# Altium PCB 606-100862-r03.pcbdoc (part 2 of 3)
Units mm, origin at the board's own origin, x right, y up, seen from the top; angles counter-clockwise.
Board outline 48 x 50 mm, 4 copper layers (Top Layer, Internal Ground, Internal Power, Bottom Layer), stack 1.481 mm thick; 185 components, 111 nets, 536 pads, 346 vias.
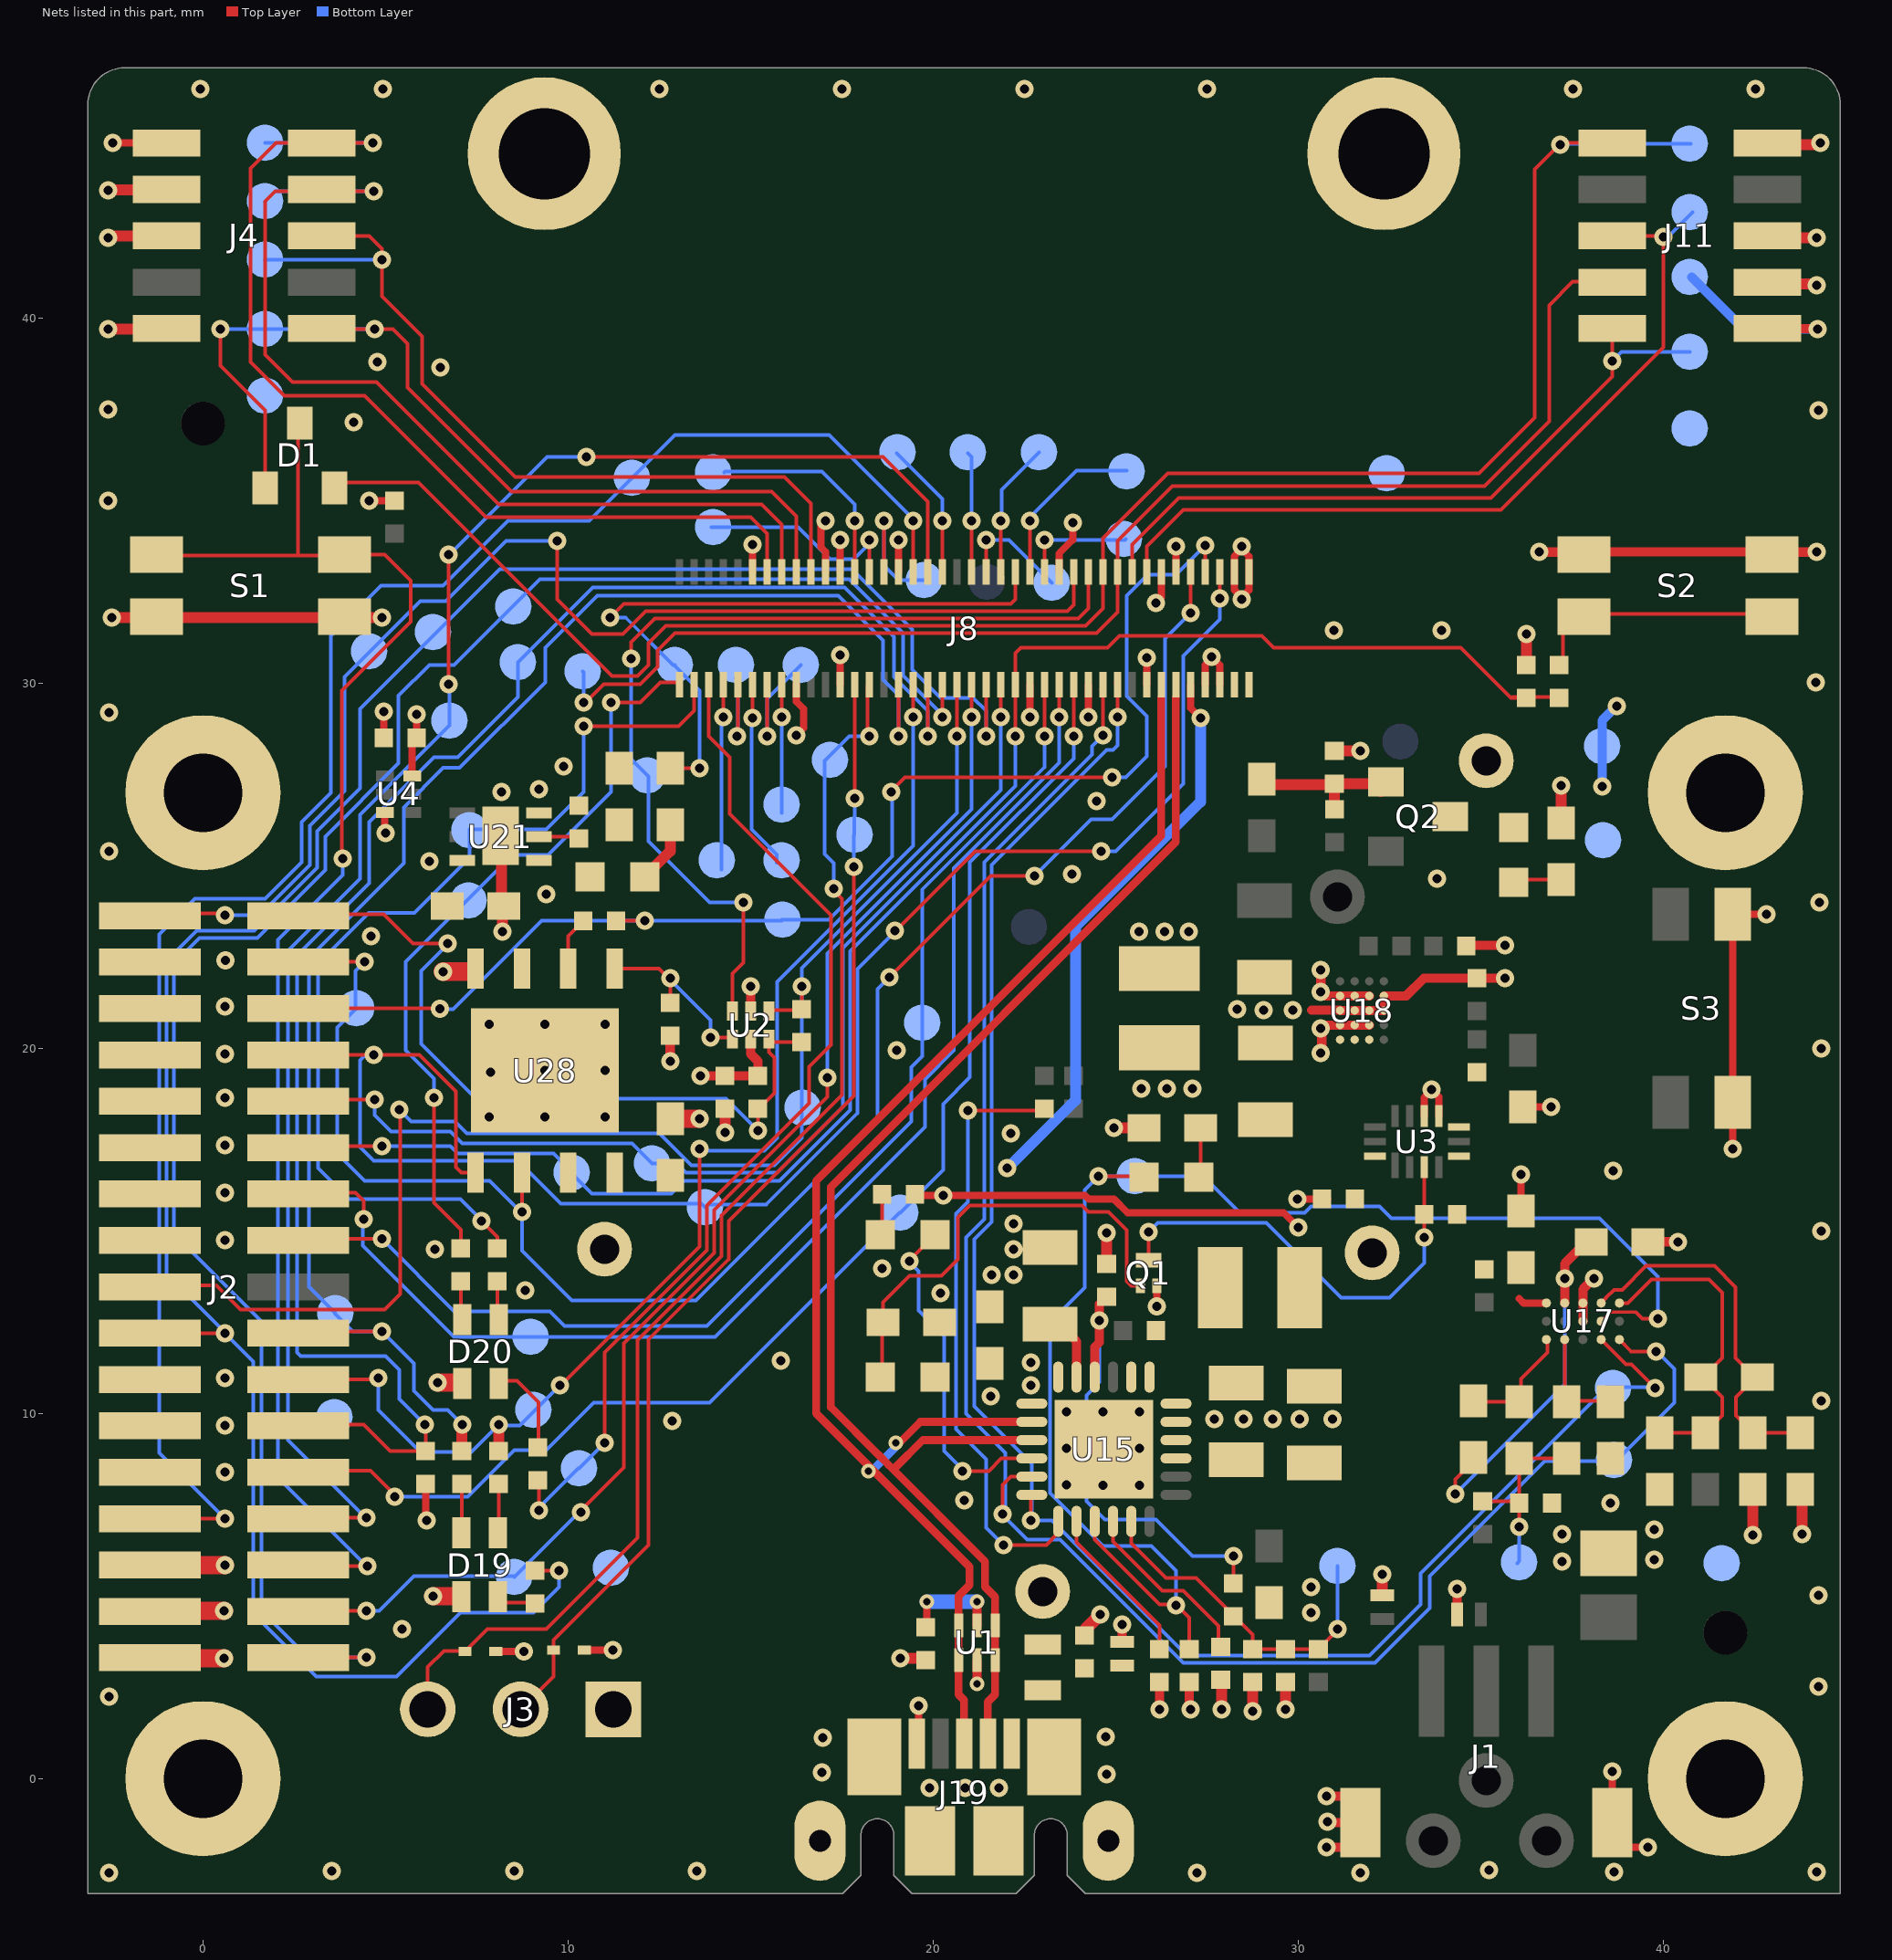
[diagram p4: the nets of this part, all layers, seen from the top]

## Via types
v1: diameter 0.5, hole 0.25, Top Layer to Bottom Layer, tented both sides, 341 vias
v2: diameter 0.4, hole 0.2, Top Layer to Bottom Layer, tented both sides, 5 vias

## Nets (pads, with @x,y where several pads share a name; then routed paths per layer and width w, separated by ;. In a path a pad name is that pad's centre, name@x,y a point inside that pad or via, vN(x,y) a via of type N, cw(c..) or ccw(c..) an arc to the next point about the centre after c; other vN are vias at no path point) (continued)
CHG_C\E\: D22.1 R71.1 TP81.1 U15.9 U17.B2 | length 40.3
  Top Layer w0.08: 38.555,12.775 39.25,12.775
  Top Layer w0.1: U15.9@24.429,7.045 24.429,6.546 26.2,4.775 26.65,4.775 27.016,4.409 R71.1@27.016,3.55 ; v1(24.525,16.5) 24.5,16.5 24.498,16.498 D22.1@25.903,16.498 ; U17.B2@38.3,12.523 38.303,12.523 38.555,12.775 ; 39.25,12.775 39.425,12.6 v1(39.85,12.6)
  Bottom Layer w0.1: v1(26.65,4.75) 26.65,5.7 25.975,6.375 24.65,6.375 23.2,7.825 23.2,12.5 24.15,13.45 24.15,16.125 v1(24.525,16.5) TP81.1@25.525,16.5 27.4,16.5 28.404,15.496 30.181,15.496 30.355,15.67 32.23,15.67 32.55,15.35 38.25,15.35 39.85,13.75 v1(39.85,12.6)
CHG_INT: R78.1 U15.7 | length 16.7
  Top Layer w0.1: v1(20.95,18.3) 23,18.3 R78.1@23.05,18.35 ; v1(21.925,6.4) 23.1,6.4 23.404,6.704 U15.7@23.404,7.073
  Bottom Layer w0.1: v1(20.95,18.3) 20.95,15.8 20.625,15.475 20.625,9.575 21.45,8.75 21.45,6.875 v1(21.925,6.4)
CHG_OTG: R73.1 U15.8 | length 4.5
  Top Layer w0.1: U15.8@23.929,7.045 23.929,6.471 26.2,4.2 26.2,3.65 R73.1@26.1,3.55
CHG_PMID: C60.1 U15.23 | length 1.9
  Top Layer w0.2: C60.1@23.354,12.498 23.704,12.498 C60.1@23.704,12.2 ; U15.23@23.904,11.023 U15.23@23.929,11.048
  Top Layer w0.25: C60.1@23.704,12.2 23.929,11.975 U15.23@23.929,11.048
CHG_REGN: C59.1 R72.1 U15.22 | length 12.9
  Top Layer w0.1: v1(28.225,6.1) 28.225,5.525 R72.1@28.4,5.35
  Top Layer w0.25: U15.22@24.429,10.995 24.429,11.823 24.554,11.948 v1(24.554,12.548) 24.554,12.998 C59.1@24.754,13.198
  Bottom Layer w0.1: v1(24.554,12.548) 24.554,10.854 24.2,10.5 24.2,7.6 24.7,7.1 26.1,7.1 27.1,6.1 v1(28.225,6.1)
CHG_STAT: D12.2 U15.4 | length 9.4
  Top Layer w0.1: v1(19.35,14.175) 19.35,14.2 D12.2@20.05,14.9 ; v1(20.8,8.425) 21.525,8.425 21.873,8.773 22.654,8.773 U15.4@22.629,8.748
  Bottom Layer w0.1: v1(19.35,14.175) 19.35,14.15 19.6,13.9 19.6,12.825 20.3,12.125 20.3,8.975 20.8,8.475 v1(20.8,8.425)
CHG_SW: C53.1 L1.1 U15.19 U15.20
CHG_TS: R72.2 R74.1 R75.1 R76.1 TP78.1 U15.11 | length 9.6
  Top Layer w0.1: U15.11@25.429,7.045 25.429,6.446 26.375,5.5 27.2,5.5 28.754,3.946 R75.1@28.754,3.55 R76.1@29.654,3.55 R74.1@30.554,3.55 31.075,4.071 v1(31.075,4.1)
  Bottom Layer w0.1: v1(31.075,4.1) TP78.1@31.075,5.825
FG_TOUT: R81.2 R82.2 U17.E3 | length 3.6
  Top Layer w0.1: R81.2@34.498,10.323 R82.2@36.054,10.323 36.1,10.368 36.1,10.95 36.826,11.676 U17.E3@36.826,12.006
FG_TS: C62.1 R84.1 U17.D3 | length 2.5
  Top Layer w0.1: U17.D3@37.3,12.023 37.3,10.648 R84.1@37.4,10.548 ; R84.1@37.419,10.348 C62.1@38.443,10.348
FG_VCC: C61.1 R81.1 U17.D1 | length 10.8
  Top Layer w0.1: v1(34.3,7.8) 34.3,8.2 34.8,8.7 R81.1@34.8,8.8
  Top Layer w0.25: U17.D1@37.3,13.025 U17.D1@37.3,13.025 37.3,14.1 ; v1(37.3,13.7) 37.3,14.1 ; C61.1@37.95,14.85 37.95,14.75 37.3,14.1
  Bottom Layer w0.1: v1(34.3,7.8) 37.3,10.8 v1(37.3,13.7)
FLASH_NCS: R152.2 U2.4 U28.1 | length 5
  Top Layer w0.1: U28.1@11.277,22.18 12.495,22.18 12.75,21.925 v1(12.8,21.925) R152.2@12.8,21.25 ; v1(13.9,20.3) U2.4@14.5,20.3
  Bottom Layer w0.1: v1(12.8,21.925) 12.8,21.875 13.9,20.775 v1(13.9,20.3)
FLEX_A_MISO: J2.16 J8.51 TP6.1 | length 33.2
  Top Layer w0.1: J2.16@3.025,14.78 v1(4.9,14.78) ; v1(23.05,28.55) J8.51@23.05,29.96
  Bottom Layer w0.1: v1(4.9,14.78) 6.88,12.8 9.5,12.8 9.9,12.4 13.8,12.4 19.4,18 19.4,19.483 19.7,19.783 TP6.1@19.7,20.7 19.7,24.351 23.05,27.701 v1(23.05,28.55)
FLEX_A_MOSI: J2.14 J8.53 TP5.1 | length 35.1
  Top Layer w0.1: J2.14@3.275,16.05 4.175,16.05 4.4,15.825 v1(4.4,15.325) ; v1(23.45,29.075) J8.53@23.45,29.96
  Bottom Layer w0.1: v1(4.4,15.325) 4.525,15.325 4.375,15.175 4.375,14.6 6.875,12.1 TP5.1@8.975,12.1 14.025,12.1 19.775,17.85 19.775,19.15 20.566,19.941 20.566,24.934 23.45,27.819 v1(23.45,29.075)
FLEX_A_SCLK: J2.26 J8.55 TP7.1 | length 36
  Top Layer w0.1: J2.26@3.025,8.43 4.595,8.43 5.25,7.775 v1(5.25,7.725) ; v1(23.85,28.55) J8.55@23.85,29.96
  Bottom Layer w0.1: v1(5.25,7.725) 7.25,7.725 8.525,9 9.4,9 10.7,10.3 13.875,10.3 19.075,15.5 TP7.1@19.1,15.5 20.275,16.675 20.275,18.475 21.007,19.207 21.007,25.093 23.85,27.936 v1(23.85,28.55)
FLEX_B_MISO: J2.6 J8.74 R153.1 TP13.1 | length 36.7
  Top Layer w0.1: J2.6@2.24,21.1 J2.6@2.715,21.1 ; J2.6@2.705,21.09 J2.6@2.715,21.1 ; v1(6.488,21.088) 6.475,21.1 J2.6@2.715,21.1 ; R153.1@11.322,23.49 11.332,23.5 v1(12.1,23.5) ; v1(18.85,27.025) 18.85,27.075 18.9,27.025 18.9,27.1 19.225,27.425 v1(24.9,27.425) ; J8.74@27.45,33.04 v1(27.45,33.775)
  Bottom Layer w0.1: v1(6.488,21.088) 6.5,21.075 6.85,21.075 9.275,23.5 v1(12.1,23.5) TP13.1@15.85,23.5 ; TP13.1@15.85,23.525 TP13.1@15.875,23.525 17.142,23.525 18.875,25.258 v1@18.875,27.025 ; v1(18.85,27.025) v1@18.875,27.025 ; v1@18.912,27.013 v1@18.9,27.025 ; v1(24.9,27.425) 25.275,27.425 25.851,28.001 25.851,29.099 25.3,29.65 25.3,32.4 25.875,32.975 26.65,32.975 v1(27.45,33.775) ; v1@18.875,27.025 v1@18.9,27.025 ; v1@18.875,27.025 18.875,27.05 v1@18.9,27.025
FLEX_B_MOSI: J2.8 J8.76 TP9.1 U28.5 | length 46.1
  Top Layer w0.1: J2.8@3.405,19.825 J2.8@3.63,19.825 ; J2.8@3.575,19.88 J2.8@3.63,19.825 ; U28.5@7.467,16.6 7.075,16.6 6.925,16.75 6.925,18.825 5.925,19.825 v1(4.675,19.825) J2.8@3.63,19.825 ; v1(18.95,23.225) 18.975,23.225 21.15,25.4 v1(24.6,25.4) ; v1(27.85,32.325) J8.76@27.85,33.04
  Bottom Layer w0.1: v1(4.675,19.825) 4.45,19.825 4.3,19.675 4.3,17.3 4.68,16.92 8.63,16.92 9.8,15.75 13.65,15.75 TP9.1@13.75,15.65 13.825,15.725 15.424,15.725 17.925,18.226 17.925,22.175 18.95,23.2 v1(18.95,23.225) ; v1(24.6,25.4) 25,25.4 26.85,27.25 26.85,30.75 27.85,31.75 v1@27.85,32.325
FLEX_B_SCLK: J2.4 J8.72 TP8.1 U28.6 | length 46.5
  Top Layer w0.1: J2.4@3.275,22.4 3.3,22.375 v1(4.425,22.375) ; v1(8.737,15.525) U28.6@8.737,16.6 ; v1(18.8,21.95) 21.575,24.725 v1(22.775,24.725) ; v1(27.05,31.925) J8.72@27.05,33.04
  Bottom Layer w0.1: v1(4.425,22.375) 4.175,22.125 4.175,21.125 TP8.1@4.2,21.1 3.675,20.575 3.675,17.125 4.425,16.375 7.85,16.375 8.7,15.525 v1(8.737,15.525) 8.737,14.463 10.1,13.1 13.5,13.1 18.475,18.075 18.475,21.625 v1(18.8,21.95) ; v1(22.775,24.725) 24.325,26.275 24.9,26.275 26.35,27.725 26.35,31.225 v1(27.05,31.925)
FLEX_C_MISO: J8.30 TP19.1 | length 3.9
  Top Layer w0.1: J8.30@18.65,33.04 v1(18.65,34.45)
  Bottom Layer w0.1: v1(18.65,34.45) 18.65,33.225 19.05,32.825 TP19.1@19.75,32.825
FLEX_C_MOSI: J8.28 TP18.1 | length 5.8
  Top Layer w0.1: J8.28@18.25,33.04 v1(18.25,33.925)
  Bottom Layer w0.1: TP18.1@13.925,34.275 TP18.1@13.975,34.275 16.3,34.275 17.175,33.4 17.825,33.4 18.25,33.825 v1(18.25,33.925)
FLEX_C_SCLK: J8.26 TP20.1 | length 5.8
  Top Layer w0.1: J8.26@17.85,33.04 v1(17.85,34.45)
  Bottom Layer w0.1: TP20.1@14.275,35.775 14.3,35.8 16.95,35.8 17.85,34.9 v1(17.85,34.45)
FPGA_GPIO_1: J2.27 J8.34 TP3.1 | length 50.7
  Top Layer w0.1: J2.27@-1.452,7.12 -1.447,7.125 v1(0.6,7.125) ; J8.34@19.45,33.04 v1(19.45,34.45)
  Bottom Layer w0.1: v1(0.6,7.125) -1.2,8.925 -1.2,23.125 -0.225,24.1 1.7,24.1 2.7,25.1 2.7,26.2 3.5,27 3.5,31.3 4.875,32.675 6.575,32.675 8.35,34.45 10.575,34.45 TP3.1@11.75,35.625 12.925,36.8 17.15,36.8 19.45,34.5 v1(19.45,34.45)
FPGA_GPIO_2: J2.28 J8.36 TP4.1 | length 47.7
  Top Layer w0.1: J2.28@2.612,7.12 2.642,7.15 v1(4.475,7.15) ; v1(6.725,29.975) v1(6.725,33.525) ; v1(10.5,36.2) 18.625,36.2 19.85,34.975 J8.36@19.85,33.04
  Bottom Layer w0.1: v1(4.475,7.15) 4.45,7.15 2.325,9.275 2.325,22.675 4.3,24.65 4.3,26.4 6.75,28.85 TP4.1@6.75,28.975 6.75,29.975 v1(6.725,29.975) ; v1(6.725,33.525) 6.75,33.525 9.425,36.2 v1(10.5,36.2)
FPGA_GPIO_3: J8.38 TP32.1 | length 3.8
  Top Layer w0.1: J8.38@20.25,33.04 v1(20.25,34.45)
  Bottom Layer w0.1: TP32.1@19,36.3 20.25,35.05 v1(20.25,34.45)
FPGA_GPIO_5: J8.42 TP35.1 | length 3.3
  Top Layer w0.1: J8.42@21.05,33.04 v1(21.05,34.45)
  Bottom Layer w0.1: TP35.1@20.95,36.3 21.05,36.2 v1(21.05,34.45)
FPGA_GPIO_6: J8.44 TP37.1 | length 3.2
  Top Layer w0.1: J8.44@21.45,33.04 v1(21.45,33.925)
  Bottom Layer w0.1: v1(21.45,33.925) 22.075,33.925 TP37.1@23.25,32.75
FPGA_GPIO_7: J8.46 TP33.1 | length 3.7
  Top Layer w0.1: J8.46@21.85,33.04 v1(21.85,34.45)
  Bottom Layer w0.1: v1(21.85,34.45) 21.875,34.475 21.875,35.3 TP33.1@22.9,36.325
FPGA_GPIO_8: J8.48 R9.2 TP38.1 | length 18.3
  Top Layer w0.1: v1(11.151,31.802) 11.524,32.175 22.125,32.175 22.25,32.3 J8.48@22.25,33.04 ; R9.2@12.8,27.675 v1(13.6,27.675)
  Bottom Layer w0.1: v1(11.151,31.802) 11.573,31.802 12.875,30.5 TP38.1@12.925,30.5 12.925,30.475 13.6,29.8 v1(13.6,27.675)
FPGA_GPIO_9: J8.50 TP34.1 | length 4.7
  Top Layer w0.1: J8.50@22.65,33.04 v1(22.65,34.45)
  Bottom Layer w0.1: v1(22.65,34.45) 22.65,34.55 23.925,35.825 TP34.1@25.3,35.825
FPGA_GPIO_10: J8.52 TP42.1 | length 3.1
  Top Layer w0.1: J8.52@23.05,33.04 v1(23.05,33.925)
  Bottom Layer w0.1: v1(23.05,33.925) 25.259,33.925 TP42.1@25.278,33.944
GND: C1.2 C2.2 C3.1 C4.2 C6.2 C7.1 C8.1 C9.2 C10.1 C52.2 C54.2 C58.2 C59.2 C60.2 C61.2 C62.2 C63.2 C64.2 C66.1 C68.2 C70.2 C71.2 C72.2 C111.1 D2.A D3.A D4.A D5.A D7.A J1.4 J1.5 J2.3 J2.5 J2.7 J2.9 J2.11 J2.13 J2.15 J2.21 J2.23 J2.25 J2.29 J3.1 J4.3 J4.5 J4.9 J8.12 J8.17 J8.23 J8.24 J8.32 J8.49 J8.54 J8.57 J8.65 J8.70 J8.73 J8.75 J8.78 J8.80 J11.3 J11.5 J11.9 J19.5 J19.6 J19.7 J19.8 J19.9 J19.10 J19.11 M1.1 M2.1 M3.1 M4.1 M5.1 M6.1 Q1.S R7.2 R13.2 R14.2 R15.2 R16.2 R71.2 R73.2 R75.2 R76.2 R77.2 R85.2 R87.2 R88.2 R92.2 R93.2 S1.1 S1.3 S2.1 S2.3 S3.1 S3.3 TP10.1 TP11.1 TP12.1 TP14.1 TP15.1 TP16.1 TP17.1 U1.2 U2.2 U3.8 U3.9 U4.3 U15.17 U15.18 U15.pad U17.C1 U17.C2 U18.B4 U18.C1 U18.C2 U18.C3 U18.C4 U21.3 U21.7 U28.4 U28.9 | length 91.6
  Top Layer w0.2: C8.1@4.95,28.5 4.95,29.15 4.885,29.215 v1(4.96,29.215) ; U4.3@4.983,26.464 4.983,25.917 v1(5,25.9) ; R16.2@6.1,8.075 6.1,7.1 v1(6.125,7.075) ; D3.A@8.02,3.486 v1(8.786,3.486) ; D2.A@10.475,3.525 v1(11.225,3.525) ; J8.12@15.05,33.04 v1(15.05,33.8) ; J8.17@16.25,29.96 16.25,29.5 16.45,29.3 16.45,28.776 v1(16.251,28.576) ; J8.23@17.45,29.96 v1@17.45,30.75 ; J8.24@17.45,33.04 v1(17.45,33.925) ; J8.32@19.05,33.04 v1(19.05,33.925) ; J19.5@19.55,0.96 19.6,1.01 v1(19.6,2) ; v1(22.65,29.075) J8.49@22.65,29.96 ; J8.54@23.45,33.04 23.45,33.55 23.825,33.925 v1(23.825,34.4) ; v1(24.25,29.075) J8.57@24.25,29.96 ; J8.65@25.85,29.96 v1(25.85,30.7) ; v1(26.125,12.938) Q1.S@26.125,13.4 ; J8.70@26.65,33.04 v1(26.65,33.75) ; J8.73@27.45,29.96 27.45,30.5 27.625,30.675 v1(27.625,30.725) 27.85,30.5 J8.75@27.85,29.96 ; v1(28.45,32.3) v1@28.45,32.361 ; v1(28.45,33.75) v1@28.413,33.713 ; v1(29.976,15.876) C7.1@30.65,15.875 C7.1@30.8,15.875 ; U3.9@33.45,18.15 33.45,18.65 33.65,18.85 v1(33.65,18.875) 33.85,18.675 U3.8@33.85,18.15 ; C63.2@36.1,15.45 v1(36.1,16.55) ; C6.2@36.15,18.4 v1(36.925,18.4) ; v1(38.6,0.2) J1.4@38.6,-1.2 38.6,-1.775 38.7,-1.875 v1(39.575,-1.875) ; v1(41.9,17.25) S3.1@41.9,18.525 S3.3@41.9,23.675 v1(42.825,23.675) ; v1(42.45,6.675) v1@42.454,6.679 ; v1@28.413,33.713 28.413,33.638 28.25,33.475 J8.78@28.25,33.04 28.25,32.561 v1@28.45,32.361 ; v1@28.413,33.713 28.65,33.475 J8.80@28.65,33.04 28.65,32.55 28.461,32.361 v1@28.45,32.361
  Top Layer w0.25: U2.2@15,21.07 v1(15,21.7) ; v2(21.2,2.6) U1.2@21.2,3.25 ; D7.A@25.175,3.75 v1(25.175,4.225) ; v1(26.2,1.9) R73.2@26.2,2.616 ; R71.2@27.016,2.65 27.016,1.838 27.054,1.876 v1(27.054,1.9) ; 30.372,21.04 31.146,21.04 U18.C1@31.148,21.037 U18.C2@31.548,21.037 U18.C3@31.948,21.037 U18.C4@32.348,21.037 U18.B4@32.348,21.437 32.962,21.437 33.44,21.915 R92.2@34.897,21.915 v1(35.672,21.915) ; v1(30.775,-1.875) J1.5@31.5,-1.875 ; v1(30.775,-0.475) J1.5@31.4,-0.475 ; v1(30.8,-1.175) 30.825,-1.2 J1.5@31.7,-1.2 J1.5@31.8,-1.2 ; D4.A@34.35,4.5 v1(34.35,5.2) ; R93.2@34.672,22.815 v1(35.672,22.815) ; S2.3@37.793,33.59 S2.1@42.943,33.59 ; U17.C2@37.8,12.523 U17.C2@37.8,12.525 U17.C1@37.8,13.025 37.8,13.4 v1(38.1,13.7)
  Top Layer w0.254: v1(36.6,33.6) 36.61,33.59 S2.3@37.793,33.59 ; C61.2@39.475,14.7 C61.2@39.575,14.7 v1(40.4,14.7) ; S2.1@42.943,33.59 44.19,33.59 v1(44.2,33.6)
  Top Layer w0.3: v1(-2.6,39.7) J4.9@-1,39.7 ; v1(-2.6,42.2) -2.56,42.24 J4.5@-1,42.24 ; v1(-2.6,43.5) -2.59,43.51 J4.3@-1,43.51 ; v1(-2.5,31.8) v1(4.9,31.8) ; U21.7@8.175,25.768 8.175,23.962 C70.2@8.247,23.89 8.2,23.843 v1(8.2,23.2) ; v1(14.3,17.7) C3.1@14.3,18.35 ; v1(19.1,3.3) 19.75,3.3 C1.2@19.8,3.25 ; C59.2@24.754,14.098 v1(24.754,14.948) ; v1(24.95,17.825) R14.2@25.557,17.825 ; R77.2@27.854,2.669 27.9,2.624 v1(27.9,1.9) ; v1(28.754,1.848) R75.2@28.754,2.6 ; v1(29.649,1.9) R76.2@29.649,2.6 ; R7.2@30.99,28.128 31.012,28.15 v1(31.7,28.15) ; D5.A@32.3,5.025 v1(32.3,5.6) ; C2.2@36.25,30.55 v1(36.25,31.35) ; R15.2@37.2,26.175 v1(37.2,27.2) ; v1@42.454,6.679 R88.2@42.454,7.925 ; J11.3@42.825,40.93 44.17,40.93 v1(44.2,40.9) ; J11.5@42.825,42.2 v1(44.2,42.2) ; J11.9@42.825,44.74 44.24,44.74 v1(44.3,44.8) ; v1(43.808,6.7) C66.1@43.808,7.925
  Top Layer w0.35: C10.1@24.2,3.925 24.2,4.125 v1(24.575,4.5)
  Top Layer w0.5: J2.29@-1.145,5.85 -1.045,5.85 -0.995,5.8 -0.945,5.85 v1(0.6,5.85) ; C111.1@12.772,18.065 v1(13.6,18.065)
  Top Layer w0.508: v1(6.575,22.1) 7.385,22.1 7.386,22.101 U28.4@7.387,22.1
  other v1: -2.575,-2.575 27.225,-2.575 31.7,-2.575 38.65,-2.55 44.2,-2.55 3.525,-2.525 8.525,-2.525 13.525,-2.525 35.225,-2.5 19.9,-0.25 20.875,-0.25 21.8,-0.25 24.75,0.125 16.95,0.175 16.975,1.125 24.725,1.15 -2.575,2.25 44.25,2.525 5.45,4.1 30.354,4.548 44.25,5.025 30.354,5.248 37.225,5.95 39.75,6 37.225,6.7 39.75,6.825 38.554,7.548 20.85,7.625 23.654,8.048 24.654,8.032 25.654,8.032 0.6,8.4 23.654,9.048 25.654,9.048 0.6,9.675 12.85,9.8 27.701,9.848 28.501,9.848 29.301,9.848 30.047,9.848 30.947,9.848 23.654,10.048 24.654,10.048 25.654,10.048 44.325,10.35 0.6,10.975 15.825,11.45 20.2,13.3 8.825,13.375 21.6,13.8 22.2,13.8 18.6,13.975 6.35,14.5 22.2,14.5 0.6,14.75 44.325,15 22.2,15.2 0.6,16.05 38.625,16.65 0.6,17.35 22.125,17.675 7.848,18.12 9.372,18.12 11.023,18.12 0.6,18.65 7.875,19.351 9.372,19.39 11.023,19.39 0.6,19.85 19,19.95 44.325,20 7.848,20.66 9.372,20.66 11.023,20.66 29.05,21.05 29.85,21.05 28.325,21.075 0.6,21.15 0.62,22.41 4.6,23.075 44.275,24 33.8,24.65 23.8,24.775 -2.575,25.4 24.475,26.775 8.175,27.025 9.2,27.1 9.875,27.725 -2.575,29.2 44.175,30.025 17.45,30.775 30.975,31.45 33.925,31.45 -2.6,35 4.125,37.15 44.25,37.475 -2.6,37.5 6.5,38.65 4.775,38.8 -0.075,46.275 4.925,46.275 12.5,46.275 17.5,46.275 22.5,46.275 27.5,46.275 37.525,46.275 42.525,46.275
MASTER_NRST: D1.3 J2.30 S1.2 S1.4 | length 42.3
  Top Layer w0.1: S1.2@-1.4,33.55 -1.345,33.544 -1.277,33.535 -1.274,33.535 -0.975,33.5 2.6,33.5 ; D1.3@2.6,36.945 2.6,33.5 ; J2.30@2.612,5.85 2.637,5.825 v1(4.5,5.825) ; v1(3.825,25.2) 3.8,25.225 3.8,29.8 5.687,31.688 5.687,32.812 4.975,33.525 S1.4@3.875,33.525 3.825,33.525 3.8,33.5 2.6,33.5
  Bottom Layer w0.1: v1(3.825,25.2) 3.825,24.75 2.05,22.975 2.05,8.25 4.475,5.825 v1(4.5,5.825)
MCU_11/FLASH_NCS: J8.58 TP61.1 U2.3 | length 25.9
  Top Layer w0.1: v1(11.725,30.675) 11.725,31.125 12.375,31.775 23.975,31.775 24.25,32.05 J8.58@24.25,33.04 ; U2.3@14.5,21.07 14.5,22.05 14.8,22.35 14.8,23.9 v1@14.7,24
  Bottom Layer w0.1: v1(11.725,30.675) 11.725,27.925 TP61.1@12.175,27.475 12.2,27.45 12.2,25.675 13.875,24 v1(14.8,24)
MCU_GPIO_1: J2.20 J8.31 R149.1 TP23.1 | length 43.8
  Top Layer w0.1: J2.20@3.025,12.24 v1(4.9,12.24) ; v1(19.05,28.55) J8.31@19.05,29.96
  Top Layer w0.3: R149.1@7.089,8.975 7.089,9.689 v1(7.1,9.7)
  Bottom Layer w0.1: TP23.1@3.612,12.738 4.11,12.24 v1(4.9,12.24) 5.775,11.365 5.775,10.625 6.3,10.1 6.7,10.1 v1(7.1,9.7) ; TP23.1@3.625,12.75 2.9,13.475 2.9,22.475 5.5,25.075 5.5,26.6 6.579,27.679 7.029,27.679 9.375,30.025 9.375,30.975 10.8,32.4 17.4,32.4 18.625,31.175 18.625,30.1 19.05,29.675 v1(19.05,28.55)
MCU_GPIO_2: J2.22 J8.33 R150.1 TP24.1 | length 34.3
  Top Layer w0.1: J2.22@2.612,10.93 4.755,10.93 v1(4.8,10.975) ; v1(9.775,10.775) 9.8,10.775 13.6,14.575 v1(13.6,17.25) ; v1(19.45,29.075) J8.33@19.45,29.96
  Top Layer w0.3: R150.1@8.1,9 v1(8.1,9.7)
  Bottom Layer w0.1: v1(4.8,10.975) 4.8,10.1 5.95,8.95 7.35,8.95 v1(8.1,9.7) 8.125,9.675 8.675,9.675 v1(9.775,10.775) ; v1(13.6,17.25) 13.65,17.2 15.375,17.2 15.725,17.55 15.725,21.825 19.45,25.55 v1(19.45,29.075)
MCU_GPIO_4: D2.C J3.2 J8.25 TP21.1 | length 31.8
  Top Layer w0.1: J3.2@8.7,1.9 9.6,2.8 9.6,3.8 12.2,6.4 12.2,12.026 14.4,14.226 14.4,15.275 17.825,18.7 v1(17.825,24.975) ; v1(17.85,26.85) 17.85,27.7 ; 17.85,27.73 J8.25@17.85,29.96 J8.25@17.85,29.985
  Bottom Layer w0.1: v1(17.825,24.975) 17.825,25.837 17.838,25.85 v1(17.85,26.85)
MCU_GPIO_5: D3.C J3.3 J8.27 TP22.1 | length 35.1
  Top Layer w0.1: J3.3@6.16,1.9 6.16,3.06 6.6,3.5 7.166,3.5 D3.C@7.18,3.486 7.794,4.1 9.4,4.1 11.9,6.6 11.9,12.009 14.2,14.309 14.2,15.425 17.5,18.725 17.5,24.1 17.275,24.325 v1(17.275,24.375) ; v1(18.25,28.55) 18.2,28.6 18.2,29.91 J8.27@18.25,29.96
  Bottom Layer w0.1: v1(17.275,24.375) 17.275,25.075 17.025,25.325 17.025,27.875 17.7,28.55 v1(18.25,28.55)
MCU_GPIO_6: J2.32 J8.41 TP28.1 | length 35.2
  Top Layer w0.1: J2.32@3.5,4.62 3.52,4.6 v1(4.475,4.6) ; v1(10.35,7.3) 10.3,7.3 11.525,8.525 11.525,11.917 14,14.392 14,15.575 17.1,18.675 v1(17.1,19.2) ; v1(21.05,29.075) J8.41@21.05,29.96
  Bottom Layer w0.1: v1(4.475,4.6) 4.825,4.6 5.775,5.55 8.5,5.55 TP28.1@8.525,5.525 10.3,7.3 v1(10.35,7.3) ; v1(17.1,19.2) 17.1,22.6 21.05,26.55 v1(21.05,29.075)
MCU_GPIO_7: J2.34 J8.37 TP29.1 | length 53.3
  Top Layer w0.1: J2.34@3.5,3.35 3.525,3.325 v1(4.475,3.325) ; v1(20.25,29.075) J8.37@20.25,29.96
  Bottom Layer w0.1: v1(4.475,3.325) 2.875,3.325 1.6,4.6 1.6,12.525 -0.8,14.925 -0.8,22.317 -0.092,23.025 1.491,23.025 3.35,24.884 3.35,25.8 5.36,27.81 5.36,29.66 6.2,30.5 6.875,30.5 9.225,32.85 17.7,32.85 19.175,31.375 19.175,30.208 20.25,29.133 v1(20.25,29.075)
MCU_GPIO_8: C2.1 J2.12 J8.47 R1.1 TP30.1 | length 46.7
  Top Layer w0.1: J2.12@3.025,17.32 v1(4.9,17.32) ; v1(22.25,28.55) J8.47@22.25,29.96 22.25,30.825 22.4,30.975 24.775,30.975 25.1,31.3 29,31.3 29.325,30.975 34.45,30.975 35.825,29.6 C2.1@36.25,29.6 ; 35.875,29.625 36.95,29.625 R1.1@36.95,29.7
  Bottom Layer w0.1: v1(4.9,17.32) 6.78,17.32 6.975,17.125 9.6,17.125 10.1,16.625 TP30.1@10.1,16.6 10.1,16.575 10.65,16.025 12.825,16.025 13.175,16.375 15.791,16.375 17.725,18.309 17.725,22.659 22.25,27.184 v1(22.25,28.55)
MCU_GPIO_9: J2.10 J8.45 TP31.1 | length 29.7
  Top Layer w0.1: J2.10@3.035,18.6 J2.10@3.51,18.6 ; J2.10@3.5,18.59 J2.10@3.51,18.6 ; v1(4.7,18.6) J2.10@3.51,18.6 ; v1(21.85,29.075) J8.45@21.85,29.96
  Bottom Layer w0.1: v1(4.7,18.6) 4.7,18.175 5.15,17.725 6.775,17.725 7.1,17.4 11.75,17.4 TP31.1@12.3,16.85 12.975,16.85 13.225,16.6 15.733,16.6 17.525,18.392 17.525,22.742 21.85,27.067 v1(21.85,29.075)
MCU_GPIO_10: J2.19 J8.43 R151.1 TP60.1 | length 64.2
  Top Layer w0.1: J2.19@-0.425,12.25 -0.375,12.2 v1(0.6,12.2) ; R151.1@9.1,5.7 v1(9.75,5.7) ; v1(21.45,28.55) J8.43@21.45,29.96